# Altium PCB 1166V10.PcbDoc (part 1 of 6) (continued)
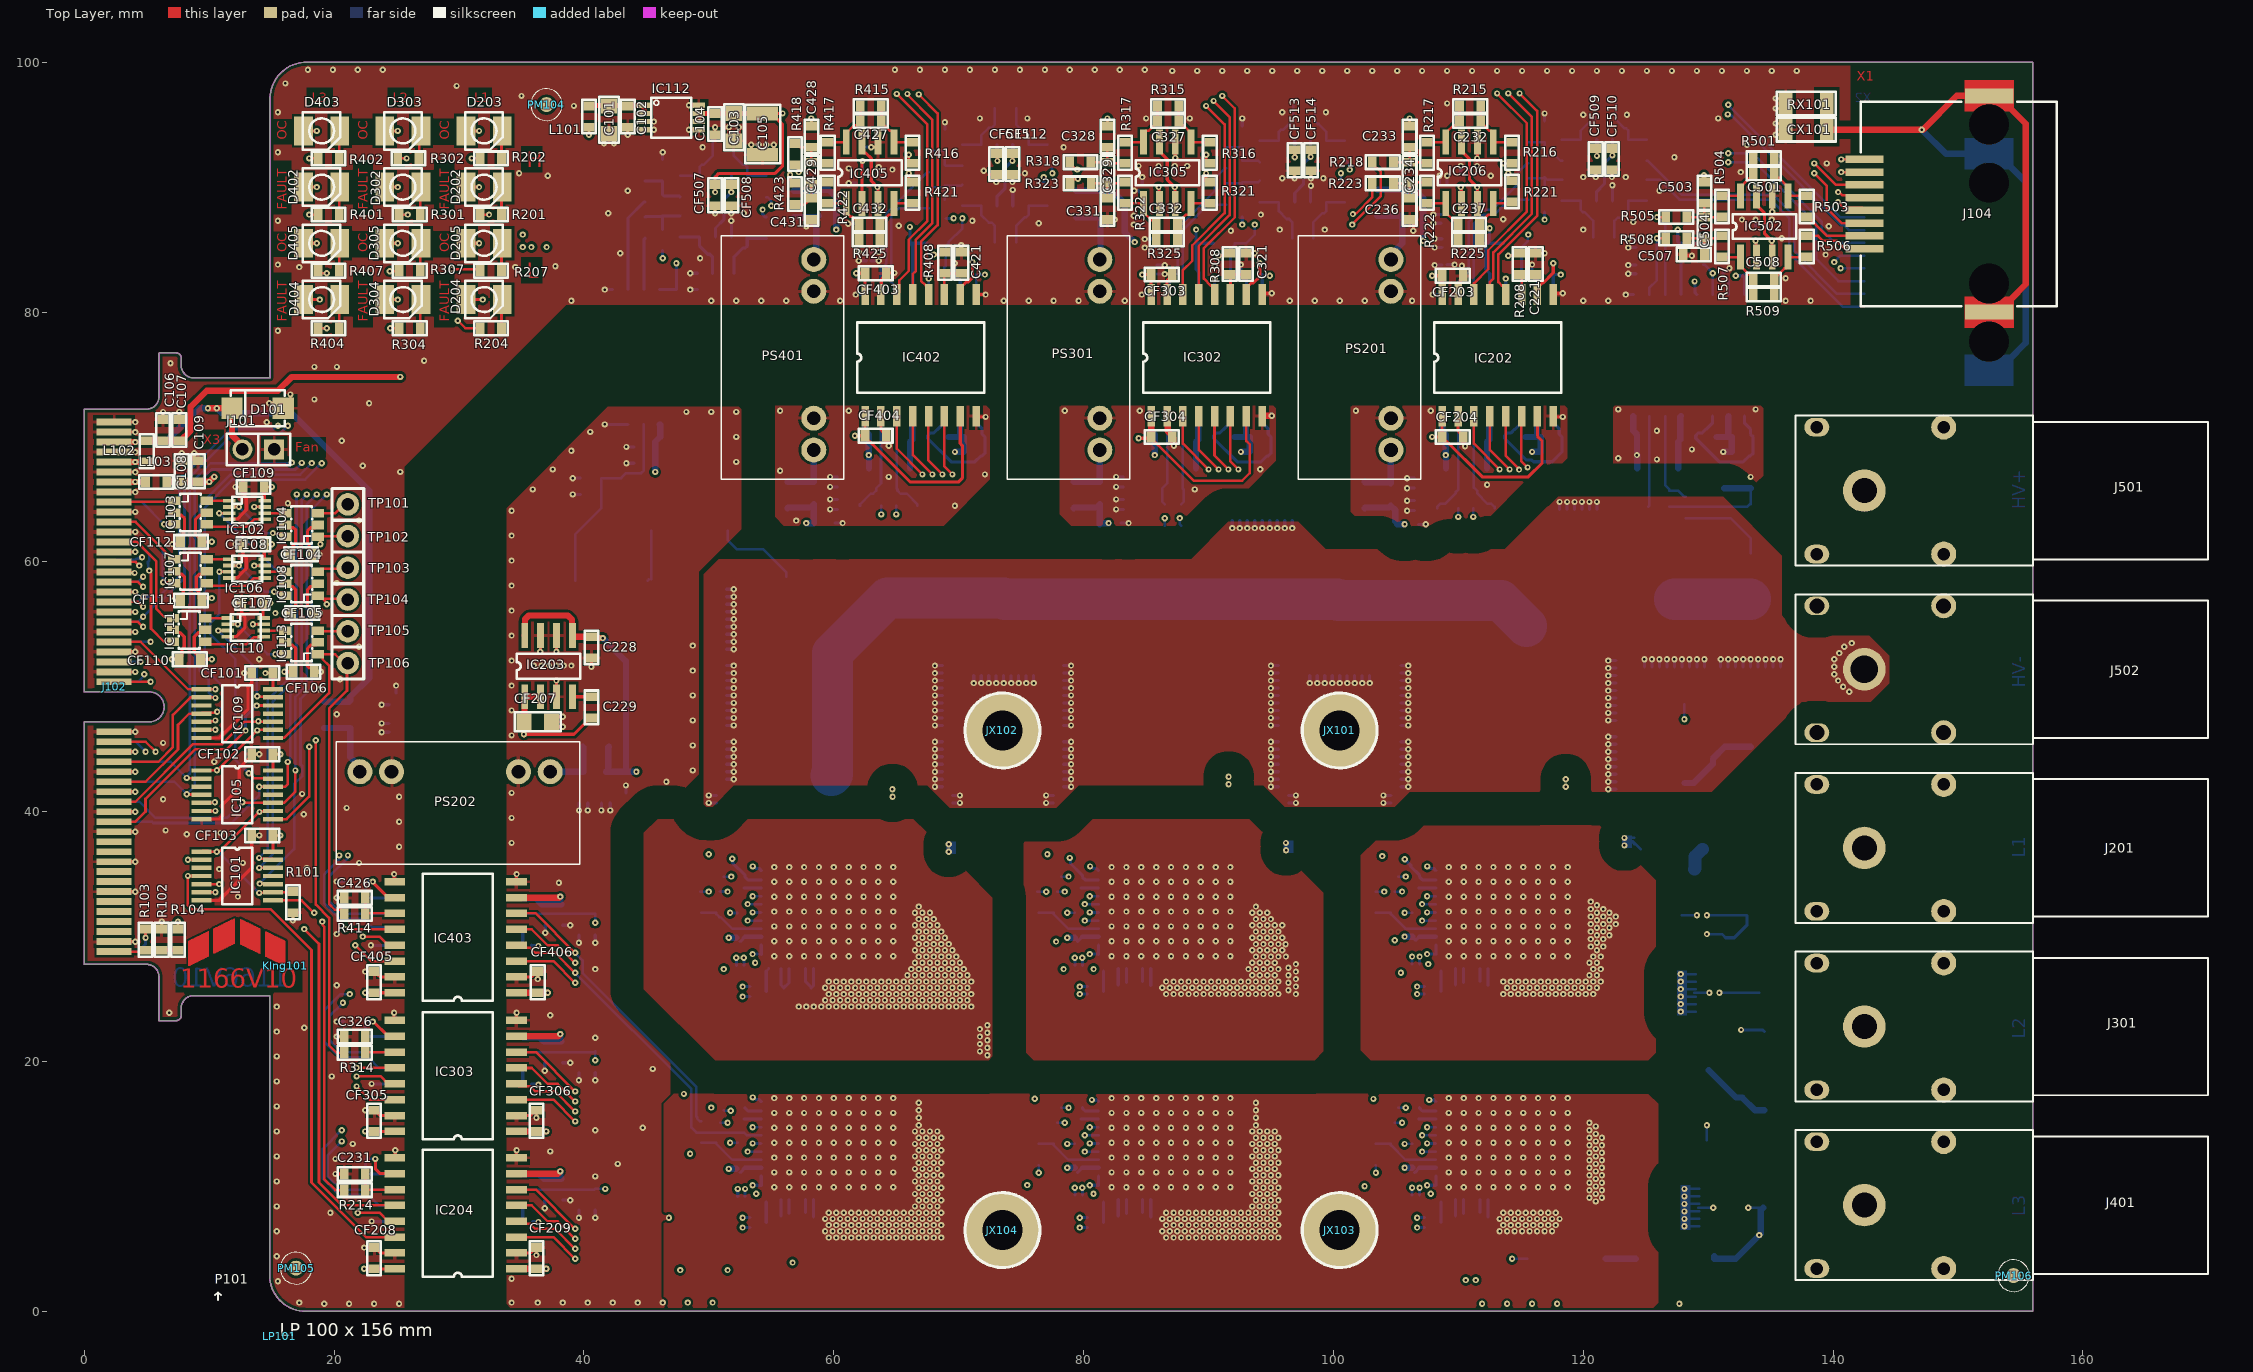
[diagram p0: Top Layer view]
## Components (designator, comment, footprint, x,y, rotation, side; value= is the part's Value field where it differs from the comment) (continued)
C418 "1nF" 1206-Cap 66,69.6 r180 bottom
C419 "100nF" 1206-Cap 66,67.5 r180 bottom
C420 "8n2F" 0603-Cap 63.4,65.8 r0 bottom
C421 "68pF" 0603-Cap 70.2,84.8 r270 top
C422 "10µF/25V" 0805-Cap 52.6,8.9 r90 bottom
C423 "220nF" 0603-Cap 51.2,16.3 r0 bottom
C424 "2µ2F/25V" 0805-Cap 56,7.5 r0 bottom
C425 "22pF" 0603-Cap 52.3,13.5 r180 bottom
C426 "68pF" 0603-Cap 20.8,33.1 r0 top
C427 "22pF" 0603-Cap 62.11,95.3 r0 top
C428 "2n2F" 0603-Cap 58.21,93.2 r90 top
C429 "2n2F" 0603-Cap 58.21,90.3 r90 top
C430 "100nF" 0603-Cap 39.6,8.1 r90 bottom
C431 "2n2F" 0603-Cap 58.21,87.4 r90 top
C432 "22pF" 0603-Cap 62.01,87 r0 top
C501 "22pF" 0603-Cap 133.6,91.1 r0 top
C502 "100nF" 0603-Cap 131.2,83 r0 bottom
C503 "2n2F" 0603-Cap 129.7,88.7 r90 top
C504 "2n2F" 0603-Cap 129.7,85.9 r90 top
C505 "1µF/25V" 1206-Cap 127.7,85.5 r180 bottom
C506 "1nF" 1206-Cap 127.7,83.4 r180 bottom
C507 "2n2F" 0603-Cap 128,84.6 r0 top
C508 "22pF" 0603-Cap 133.6,82.6 r0 top
C509 "22pF" 0603-Cap 50.3,84.3 r0 bottom
C510 "1µF/25V" 0603-Cap 129,70 r0 bottom
C511 "1nF" 0603-Cap 133.6,70 r180 bottom
C512 "100nF" 0603-Cap 133.6,68.8 r180 bottom
C513 "1nF" 1206-Cap 127.6,69.6 r180 bottom
C514 "100nF" 1206-Cap 127.6,67.5 r180 bottom
C515 "8n2F" 0603-Cap 125.2,65.7 r0 bottom
C516 "2n2F" 0603-Cap 46.3,86.6 r270 bottom
C517 "2n2F" 0603-Cap 46.3,89.4 r270 bottom
C518 "100nF" 0603-Cap 39.7,66.7 r0 bottom
C519 "2n2F" 0603-Cap 46.3,92.2 r270 bottom
C520 "22pF" 0603-Cap 50.3,92.6 r0 bottom
C521 "1µF/630V" 2220-Cap 56.7,55.4 r180 bottom
C522 "1µF/630V" 2220-Cap 119.3,58.1 r90 bottom
C523 "1µF/630V" 2220-Cap 94.3,58 r90 bottom
C524 "1µF/630V" 2220-Cap 127.3,56.9 r270 bottom
C525 "1µF/630V" 2220-Cap 73.6,57 r270 bottom
C526 "1µF/630V" 2220-Cap 100.5,57 r270 bottom
C527 "1µF/630V" 2220-Cap 133.4,56.9 r270 bottom
C528 "22pF" 0603-Cap 120.8,87.2 r0 bottom
C529 "2n2F" 0603-Cap 116.9,89.7 r270 bottom
C530 "2n2F" 0603-Cap 116.9,92.5 r270 bottom
C531 "22pF" 0603-Cap 72.9,86.8 r0 bottom
C532 "2n2F" 0603-Cap 116.9,95.3 r270 bottom
C533 "22pF" 0603-Cap 120.9,95.5 r0 bottom
C534 "2n2F" 0603-Cap 68.9,89 r270 bottom
C535 "2n2F" 0603-Cap 68.9,91.8 r270 bottom
C536 "2n2F" 0603-Cap 68.9,94.6 r270 bottom
C537 "22pF" 0603-Cap 72.9,95.1 r0 bottom
C538 "22pF" 0603-Cap 96.7,87.1 r0 bottom
C539 "2n2F" 0603-Cap 92.7,89.3 r270 bottom
C540 "2n2F" 0603-Cap 92.7,92.1 r270 bottom
C541 "2n2F" 0603-Cap 92.7,94.9 r270 bottom
C542 "22pF" 0603-Cap 96.8,95.4 r0 bottom
CF101 "100nF" 0603-Cap 13.4,51.1 r0 top
CF102 "100nF" 0603-Cap 13.4,44.6 r0 top
CF103 "100nF" 0603-Cap 13.4,38.1 r0 top
CF104 "100nF" 0603-Cap 16.5,60.6 r0 top
CF105 "100nF" 0603-Cap 16.6,55.9 r0 top
CF106 "100nF" 0603-Cap 16.7,51.2 r0 top
CF107 "100nF" 0603-Cap 14.3,56.7 r180 top
CF108 "100nF" 0603-Cap 14.4,61.4 r180 top
CF109 "100nF" 0603-Cap 14.4,66 r180 top
CF110 "100nF" 0603-Cap 9.3,52.2 r180 top
CF111 "100nF" 0603-Cap 9.4,56.9 r180 top
CF112 "100nF" 0603-Cap 9.4,61.6 r180 top
CF201 "22µF/16V" 0805-Cap 104.6,66.3 r0 bottom
CF202 "22µF/16V" 0805-Cap 104.6,64.5 r0 bottom
CF203 "1µF/10V" 0603-Cap 108.7,82.9 r0 top
CF204 "100nF" 0603-Cap 110.4,70 r180 top
CF205 "22µF/16V" 0805-Cap 39.96,43.2 r270 bottom
CF206 "22µF/16V" 0805-Cap 41.76,43.2 r270 bottom
CF207 "22µF/16V" 0805-Cap 35.2,47.2 r0 top
CF208 "1µF/10V" 0603-Cap 23.2,3.4 r90 top
CF209 "100nF" 0603-Cap 36.2,5.1 r270 top
CF210 "100nF" 0603-Cap 110.2,89.4 r90 bottom
CF211 "100nF" 0603-Cap 111.5,89.4 r90 bottom
CF212 "1µF/10V" 0603-Cap 22.5,34.4 r180 bottom
CF213 "100nF" 0603-Cap 22.5,33.1 r180 bottom
CF214 "100nF" 0603-Cap 36.9,32.6 r270 bottom
CF215 "1µF/10V" 0603-Cap 38.2,32.6 r270 bottom
CF301 "22µF/16V" 0805-Cap 81.3,66.4 r0 bottom
CF302 "22µF/16V" 0805-Cap 81.3,64.6 r0 bottom
CF303 "1µF/10V" 0603-Cap 85.4,83 r0 top
CF304 "100nF" 0603-Cap 87.1,70 r180 top
CF305 "1µF/25V" 0603-Cap 23.2,14.4 r90 top
CF306 "100nF" 0603-Cap 36.2,16.1 r270 top
CF307 "100nF" 0603-Cap 86,89.4 r90 bottom
CF308 "100nF" 0603-Cap 87.3,89.4 r90 bottom
CF309 "1µF/10V" 0603-Cap 22.5,23.2 r180 bottom
CF310 "100nF" 0603-Cap 22.5,21.9 r180 bottom
CF311 "100nF" 0603-Cap 36.9,21.6 r270 bottom
CF312 "1µF/10V" 0603-Cap 38.2,21.6 r270 bottom
CF401 "22µF/16V" 0805-Cap 58.4,66.4 r0 bottom
CF402 "22µF/16V" 0805-Cap 58.4,64.6 r0 bottom
CF403 "1µF/10V" 0603-Cap 62.5,83.1 r0 top
CF404 "100nF" 0603-Cap 64.2,70.1 r180 top
CF405 "1µF/10V" 0603-Cap 23.2,25.5 r90 top
CF406 "100nF" 0603-Cap 36.3,27.2 r270 top
CF407 "100nF" 0603-Cap 62.3,91.5 r90 bottom
CF408 "100nF" 0603-Cap 63.6,89.3 r90 bottom
CF409 "1µF/10V" 0603-Cap 22.5,12.2 r180 bottom
CF410 "100nF" 0603-Cap 22.5,11 r180 bottom
CF411 "100nF" 0603-Cap 36.9,10.6 r270 bottom
CF412 "1µF/10V" 0603-Cap 38.2,10.6 r270 bottom
CF501 "100nF" 0603-Cap 133.8,85.1 r90 bottom
CF502 "100nF" 0603-Cap 135.1,85.1 r90 bottom
CF503 "1µF/10V" 0603-Cap 47.4,83.1 r0 bottom
CF504 "100nF" 0603-Cap 47.4,81.8 r0 bottom
CF505 "100nF" 0603-Cap 45.7,69.2 r180 bottom
CF506 "1µF/10V" 0603-Cap 45.7,67.9 r180 bottom
CF507 "100nF" 0603-Cap 50.5,90.2 r270 top
CF508 "100nF" 0603-Cap 51.8,90.2 r270 top
CF509 "100nF" 0603-Cap 121,93.1 r270 top
CF510 "100nF" 0603-Cap 122.3,93.1 r270 top
CF511 "100nF" 0603-Cap 73,92.7 r270 top
CF512 "100nF" 0603-Cap 74.3,92.7 r270 top
CF513 "100nF" 0603-Cap 96.9,93 r270 top
CF514 "100nF" 0603-Cap 98.2,93 r270 top
CX101 "4n7F/500V" 1206-Cap 139.5,94.6 r180 top
D101 "B160" SMA 15.8,72.3 r180 top
D201 "GB01SLT12-214" "DO-214 (SMB)" 129.54,37 r180 bottom
D202 "VLMS30K1L2-GS08" PLCC-2_rot 32,90 r180 top
D203 "VLMY3001" PLCC-2_gelb 32,94.5 r180 top
D204 "VLMS30K1L2-GS08" PLCC-2_rot 32,81 r180 top
D205 "VLMY3001" PLCC-2_gelb 32,85.5 r180 top
D206 "GB01SLT12-214" "DO-214 (SMB)" 122.7,16 r90 bottom
D301 "GB01SLT12-214" "DO-214 (SMB)" 97.6,31.66 r90 bottom
D302 "VLMS30K1L2-GS08" PLCC-2_rot 25.5,90 r180 top
D303 "VLMY3001" PLCC-2_gelb 25.5,94.5 r180 top
D304 "VLMS30K1L2-GS08" PLCC-2_rot 25.5,81 r180 top
D305 "VLMY3001" PLCC-2_gelb 25.5,85.5 r180 top
D306 "GB01SLT12-214" "DO-214 (SMB)" 95.7,16 r90 bottom
D401 "GB01SLT12-214" "DO-214 (SMB)" 70.6,31.56 r90 bottom
D402 "VLMS30K1L2-GS08" PLCC-2_rot 19,90 r180 top
D403 "VLMY3001" PLCC-2_gelb 19,94.5 r180 top
D404 "VLMS30K1L2-GS08" PLCC-2_rot 19,81 r180 top
D405 "VLMY3001" PLCC-2_gelb 19,85.5 r180 top
D406 "GB01SLT12-214" "DO-214 (SMB)" 68.7,16 r90 bottom
IC101 "SN74HCS21PWR" TSSOP-14 9.4,36.8 r0 top
IC102 "SN74AUP2G08DCUR" VSSOP-8 11.6,64.9 r270 top
IC103 "SN74LVC2G17DBV" SOT-23-6 7.2,64.9 r270 top
IC104 "SN74LVC2G14DBV" SOT-23-6 18.691,61.995 r90 top
IC105 "SN74HCS21PWR" TSSOP-14 9.4,43.3 r0 top
IC106 "SN74AUP2G08DCUR" VSSOP-8 11.6,60.2 r270 top
IC107 "SN74LVC2G17DBV" SOT-23-6 7.2,60.2 r270 top
IC108 "SN74LVC2G14DBV" SOT-23-6 18.691,57.295 r90 top
IC109 "SN74HCS21PWR" TSSOP-14 9.4,49.8 r0 top
IC110 "SN74AUP2G08DCUR" VSSOP-8 11.5,55.5 r270 top
IC111 "SN74LVC2G17DBV" SOT-23-6 7.1,55.5 r270 top
IC112 "LTC6655BHMS8-2.5" "MSOP-8 (RM-8)" 44.8,96.55 r270 top
IC113 "SN74LVC2G14DBV" SOT-23-6 18.691,52.595 r90 top
IC201 "AMC3301DWE" "SOIC-16-W - 8.1mm" 117.6,71.65 r90 bottom
IC202 "ISO7741FEDWQ1" "SOIC-16-W - 8.1mm" 108.71,71.65 r90 top
IC203 "LT1763IS8-5#PBF" SOIC-8-N 35.26,49.2 r90 top
IC204 "ISO7741FEDWQ1" "SOIC-16-W - 8.1mm" 34.6,3.4 r180 top
IC205 "AMC1311BQDWVRQ1" SOIC-8-W 34.4,33.1 r180 bottom
IC206 "ADA4940-1ARZ" SOIC-8-N 108.99,88.7 r90 top
IC301 "AMC3301DWE" "SOIC-16-W - 8.1mm" 94.3,71.65 r90 bottom
IC302 "ISO7741FEDWQ1" "SOIC-16-W - 8.1mm" 85.41,71.65 r90 top
IC303 "ISO7741FEDWQ1" "SOIC-16-W - 8.1mm" 34.6,14.4 r180 top
IC304 "AMC1311BQDWVRQ1" SOIC-8-W 34.4,22 r180 bottom
IC305 "ADA4940-1ARZ" SOIC-8-N 84.8,88.7 r90 top
IC401 "AMC3301DWE" "SOIC-16-W - 8.1mm" 71.4,71.65 r90 bottom
IC402 "ISO7741FEDWQ1" "SOIC-16-W - 8.1mm" 62.51,71.65 r90 top
IC403 "ISO7741FEDWQ1" "SOIC-16-W - 8.1mm" 34.6,25.5 r180 top
IC404 "AMC1311BQDWVRQ1" SOIC-8-W 34.4,11 r180 bottom
IC405 "ADA4940-1ARZ" SOIC-8-N 61,88.7 r90 top
IC501 "AMC3301DWE" "SOIC-16-W - 8.1mm" 132.9,71.65 r90 bottom
IC502 "ADA4940-1ARZ" SOIC-8-N 132.59,84.4 r90 top
IC503 "AMC1311BQDWVRQ1" SOIC-8-W 46.07,71.7 r90 bottom
IC504 "ADA4940-1ARZ" SOIC-8-N 49.26,90.9 r270 bottom
IC505 "ADA4940-1ARZ" SOIC-8-N 119.8,93.8 r270 bottom
IC506 "ADA4940-1ARZ" SOIC-8-N 71.79,93.4 r270 bottom
IC507 "ADA4940-1ARZ" SOIC-8-N 95.63,93.7 r270 bottom
J101 "SIP-2" SIP-2 15.2,69 r180 top
J102 "KI-POWER-Card" KI-POWER-CARD -0.013,47.196 r90 top
J103 "RJ-45" WE-634008149821 150,84 r270 bottom
J104 "RJ-45" WE-634008149821 150.025,88.65 r90 top
J201 "MC - SLB4-I/90 Schwarz" "SLB4-I/90 - 4mm" 142.5,37.1 r270 top locked
J301 "MC - SLB4-I/90 Schwarz" "SLB4-I/90 - 4mm" 142.5,22.8 r270 top locked
J401 "MC - SLB4-I/90 Schwarz" "SLB4-I/90 - 4mm" 142.5,8.5 r270 top locked
J501 "MC - SLB4-I/90 Rot" "SLB4-I/90 - 4mm" 142.5,65.7 r270 top locked
J502 "FCR7350L Blau" "SLB4-I/90 - 4mm - CLIFF" 142.5,51.4 r270 top locked
JX101 "Drill PAD" PAD-6.0/3.2 100.5,46.5 r0 top
JX102 "Drill PAD" PAD-6.0/3.2 73.5,46.5 r0 top
JX103 "Drill PAD" PAD-6.0/3.2 100.5,6.5 r0 top
JX104 "Drill PAD" PAD-6.0/3.2 73.5,6.5 r0 top
KIng101 "KIng-Logo" "King_Logo 900x300mil short" 16.088,27.659 r90 top
L101 "600R@100MHz 1A" 0603-Ind 40.4,94.8 r90 top
L102 "600R@100MHz 1A" 0603-Ind 5,68 r90 top
L103 "600R@100MHz 1A" 0603-Ind 4.9,66.4 r0 top
L201 "100µH/120mA" "1007-IND (2518)" 103.5,89.8 r270 bottom
L202 "100µH/120mA" "1007-IND (2518)" 102.5,66.4 r270 bottom
L203 "4u7H 1,1A" "2.0mm x 1.6mm" 107.25,25.6 r0 bottom
L204 "100µH/120mA" "1007-IND (2518)" 19.2,48.8 r270 bottom
L205 "100µH/120mA" "1007-IND (2518)" 39.9,45.2 r0 bottom
L206 "4u7H 1,1A" "2.0mm x 1.6mm" 107.25,7.1 r0 bottom
L301 "100µH/120mA" "1007-IND (2518)" 79.4,89.7 r270 bottom
L302 "100µH/120mA" "1007-IND (2518)" 79.2,66.4 r270 bottom
L303 "4u7H 1,1A" "2.0mm x 1.6mm" 80.25,25.6 r0 bottom
L304 "4u7H 1,1A" "2.0mm x 1.6mm" 80.25,7.1 r0 bottom
L401 "100µH/120mA" "1007-IND (2518)" 56.8,89.7 r270 bottom
L402 "100µH/120mA" "1007-IND (2518)" 56.3,66.4 r270 bottom
L403 "4u7H 1,1A" "2.0mm x 1.6mm" 53.25,25.6 r0 bottom
L404 "4u7H 1,1A" "2.0mm x 1.6mm" 53.25,7.1 r0 bottom
LP101 "100 x 156 mm, 8 Lagen (8x 70 µm)" LP 15.631,-2 r0 top
P101 "SK 545 50 SA" Part 10.7,0.9 r90 top
PM101 "Passer Mark" "PASSER-MARK Rund 1,2mm" 154.448,2.853 r180 bottom
PM102 "Passer Mark" "PASSER-MARK Rund 1,2mm" 16.948,3.453 r180 bottom
PM103 "Passer Mark" "PASSER-MARK Rund 1,2mm" 37,96.6 r180 bottom
PM104 "Passer Mark" "PASSER-MARK Rund 1,2mm" 37,96.6 r0 top
PM105 "Passer Mark" "PASSER-MARK Rund 1,2mm" 16.948,3.453 r0 top
PM106 "Passer Mark" "PASSER-MARK Rund 1,2mm" 154.448,2.853 r0 top
PS201 "R24P12S/P/X2/R6.4" "SIP-7 Single - X2" 104.6,84.2 r270 top
PS202 "R24P212S/P/X2/R6.4" "SIP-7 Single - X2" 22.06,43.2 r0 top
PS301 "R24P12S/P/X2/R6.4" "SIP-7 Single - X2" 81.3,84.2 r270 top
PS401 "R24P12S/P/X2/R6.4" "SIP-7 Single - X2" 58.4,84.2 r270 top
Q201 "LMG3425R030RQZT" "VQFN-54 (RQZ0054)" 114,33.25 r270 bottom
Q202 "LMG3425R030RQZT" "VQFN-54 (RQZ0054)" 114,14.75 r270 bottom
Q301 "LMG3425R030RQZT" "VQFN-54 (RQZ0054)" 87,33.25 r270 bottom
Q302 "LMG3425R030RQZT" "VQFN-54 (RQZ0054)" 87,14.75 r270 bottom
Q401 "LMG3425R030RQZT" "VQFN-54 (RQZ0054)" 60,33.25 r270 bottom
Q402 "LMG3425R030RQZT" "VQFN-54 (RQZ0054)" 60,14.75 r270 bottom
R101 "10K" 0603-Res 16.7,33.6 r270 top
R102 "0R" 0603-Res 6.2,30.6 r270 top
R103 "0R" 0603-Res 4.9,28.9 r90 top
R104 "0R" 0603-Res 7.5,30.6 r270 top
R201 "470R" 0603-Res 33.4,87.8 r180 top
R202 "470R" 0603-Res 33.4,92.3 r180 top
R203 "10K" 0603-Res 115.3,85.5 r180 bottom
R204 "470R" 0603-Res 33.4,78.7 r180 top
R205 "20K" 0603-Res 106.6,33.6 r180 bottom
R206 "220R" 0603-Res 103.4,31.9 r90 bottom
R207 "470R" 0603-Res 33.4,83.3 r180 top
R208 "49R9" 0603-Res 114.9,83 r90 top
R209 "10R" 0603-Res 111.2,64.3 r0 bottom
R210 "10R" 0603-Res 110,64.3 r180 bottom
R211 "0.018R" 2512 127.9,31.7 r0 bottom
R212 "20K" 0603-Res 106.6,15.1 r180 bottom
R213 "220R" 0603-Res 103.4,13.4 r270 bottom
R214 "49R9" 0603-Res 22.5,9.7 r180 top
R215 "2K" 0603-Res 110.1,96.5 r0 top
R216 "49R9" 0603-Res 114.3,93.6 r270 top
R217 "1K" 0603-Res 107.5,91.9 r90 top
R218 "49R9" 0603-Res 103.1,92 r0 top
R219 "1M" 2512-Res 128.1,48.6 r270 bottom
R220 "1M" 2512-Res 133.4,45.2 r270 bottom
R221 "49R9" 0603-Res 114.3,88.8 r90 top
R222 "1K" 0603-Res 107.5,90.4 r270 top
R223 "49R9" 0603-Res 103.1,90.3 r0 top
R224 "6K65/0,1%/10ppm" 0603-Res 40.9,31.8 r270 bottom
R225 "2K" 0603-Res 110,85.8 r0 top
R301 "470R" 0603-Res 26.9,87.8 r180 top
R302 "470R" 0603-Res 26.8,92.3 r180 top
R303 "10K" 0603-Res 92.1,85.5 r180 bottom
R304 "470R" 0603-Res 26.9,78.7 r180 top
R305 "15K" 0603-Res 79.6,33.6 r180 bottom
R306 "220R" 0603-Res 76.4,31.9 r90 bottom
R307 "470R" 0603-Res 26.9,83.3 r180 top
R308 "49R9" 0603-Res 91.7,83 r90 top
R309 "10R" 0603-Res 87.8,62.9 r90 bottom
R310 "10R" 0603-Res 86.5,62.9 r90 bottom
R311 "0.018R" 2512 128.9,25.5 r0 bottom
R312 "20K" 0603-Res 79.6,15.1 r180 bottom
R313 "220R" 0603-Res 76.4,13.4 r270 bottom
R314 "49R9" 0603-Res 22.5,20.7 r180 top
R315 "2K" 0603-Res 85.91,96.5 r0 top
R316 "49R9" 0603-Res 90.11,93.6 r270 top
R317 "1K" 0603-Res 83.31,91.9 r90 top
R318 "49R9" 0603-Res 78.9,92 r0 top
R319 "1M" 2512-Res 128.6,13.7 r90 bottom
R320 "1M" 2512-Res 134.5,16.1 r90 bottom
R321 "49R9" 0603-Res 90.11,88.7 r90 top
R322 "1K" 0603-Res 83.31,90.4 r270 top
R323 "49R9" 0603-Res 78.91,90.3 r0 top
R324 "6K65/0,1%/10ppm" 0603-Res 40.9,20.8 r270 bottom
R325 "2K" 0603-Res 85.81,85.8 r0 top
R401 "470R" 0603-Res 20.4,87.8 r180 top
R402 "470R" 0603-Res 20.4,92.3 r180 top
R403 "10K" 0603-Res 69.2,85.5 r180 bottom
R404 "470R" 0603-Res 20.4,78.7 r180 top
R405 "15K" 0603-Res 52.6,33.6 r180 bottom
R406 "220R" 0603-Res 49.4,31.9 r90 bottom
R407 "470R" 0603-Res 20.4,83.3 r180 top
R408 "49R9" 0603-Res 68.9,83.1 r90 top
R409 "10R" 0603-Res 65,64.5 r0 bottom
R410 "10R" 0603-Res 63.8,64.5 r180 bottom
R411 "0.018R" 2512 129.2,8.3 r0 bottom
R412 "20K" 0603-Res 52.6,15.1 r180 bottom
R413 "220R" 0603-Res 49.4,13.5 r90 bottom
R414 "49R9" 0603-Res 22.5,31.8 r180 top
R415 "2K" 0603-Res 62.11,96.5 r0 top
R416 "49R9" 0603-Res 66.31,93.6 r270 top
R417 "1K" 0603-Res 59.51,91.9 r90 top
R418 "49R9" 0603-Res 56.9,91.8 r90 top
R419 "1M" 2512-Res 115.5,4.2 r0 bottom
R420 "1M" 2512-Res 124.2,4.2 r0 bottom
R421 "49R9" 0603-Res 66.31,88.7 r90 top
R422 "1K" 0603-Res 59.51,90.4 r270 top
R423 "49R9" 0603-Res 56.9,90.3 r270 top
R424 "6K65/0,1%/10ppm" 0603-Res 40.9,9.8 r270 bottom
R425 "2K" 0603-Res 62.01,85.8 r0 top
R501 "2K" 0603-Res 133.6,92.3 r0 top
R502 "10K" 0603-Res 129.6,83.8 r90 bottom
R503 "49R9" 0603-Res 137.9,89.3 r270 top
R504 "1K" 0603-Res 131.1,87.6 r90 top
R505 "49R9" 0603-Res 126.6,87.6 r0 top
R506 "49R9" 0603-Res 137.9,84.4 r90 top
R507 "1K" 0603-Res 131.1,86.1 r270 top
R508 "49R9" 0603-Res 126.6,85.9 r0 top
R509 "2K" 0603-Res 133.6,81.4 r0 top
R510 "2K" 0603-Res 50.3,83.1 r0 bottom
R511 "1M" 2512-Res 45.4,62.5 r0 bottom
R512 "1M" 2512-Res 39.3,58.6 r0 bottom
R513 "49R9" 0603-Res 54.6,85.9 r90 bottom
R514 "1K" 0603-Res 47.7,87.7 r270 bottom
R515 "49R9" 0603-Res 44.9,85.9 r90 bottom
R516 "10R" 0603-Res 128.2,63.5 r90 bottom
R517 "10R" 0603-Res 126.9,64.4 r180 bottom
R518 "0.010R" 2512 133.4,60.7 r90 bottom
R519 "49R9" 0603-Res 54.6,90.9 r270 bottom
R520 "1K" 0603-Res 47.7,89.2 r90 bottom
R521 "49R9" 0603-Res 44.9,88.8 r90 bottom
R522 "6K65/0,1%/10ppm" 0603-Res 41.4,65.4 r180 bottom
R523 "2K" 0603-Res 50.3,93.8 r0 bottom
R524 "2K" 0603-Res 120.8,86 r0 bottom
R525 "49R9" 0603-Res 125.07,88.9 r90 bottom
R526 "1K" 0603-Res 118.3,90.6 r270 bottom
R527 "49R9" 0603-Res 115.6,89 r90 bottom
R528 "2K" 0603-Res 72.9,85.6 r0 bottom
R529 "49R9" 0603-Res 125.07,93.8 r270 bottom
R530 "1K" 0603-Res 118.3,92.1 r90 bottom
R531 "49R9" 0603-Res 115.6,91.9 r90 bottom
R532 "49R9" 0603-Res 77.1,88.5 r90 bottom
R533 "1K" 0603-Res 70.3,90.2 r270 bottom
R534 "49R9" 0603-Res 67.6,88.3 r90 bottom
R535 "2K" 0603-Res 120.9,96.7 r0 bottom
R536 "49R9" 0603-Res 77.1,93.4 r270 bottom
R537 "1K" 0603-Res 70.3,91.7 r90 bottom
R538 "49R9" 0603-Res 67.6,91.2 r90 bottom
R539 "2K" 0603-Res 96.7,85.9 r0 bottom
R540 "2K" 0603-Res 72.9,96.3 r0 bottom
R541 "49R9" 0603-Res 100.9,88.8 r90 bottom
R542 "1K" 0603-Res 94.1,90.5 r270 bottom
R543 "49R9" 0603-Res 91.4,88.6 r90 bottom
R544 "49R9" 0603-Res 100.9,93.7 r270 bottom
R545 "1K" 0603-Res 94.1,92 r90 bottom
R546 "49R9" 0603-Res 91.4,91.5 r90 bottom
R547 "2K" 0603-Res 96.8,96.6 r0 bottom
RX101 "1M" 1206-Res 139.5,96.7 r180 top
TP101 "Test-Point" PAD-1.0/1.8 21.1,64.6 r90 top
TP102 "Test-Point" PAD-1.0/1.8 21.1,62.06 r90 top
TP103 "Test-Point" PAD-1.0/1.8 21.1,59.52 r90 top
TP104 "Test-Point" PAD-1.0/1.8 21.1,56.98 r90 top
TP105 "Test-Point" PAD-1.0/1.8 21.1,54.44 r90 top
TP106 "Test-Point" PAD-1.0/1.8 21.1,51.9 r90 top

## Footprints (in the part's own frame and the unit in brackets; to place one, negate y for a bottom-side part, rotate by r counter-clockwise, add the part's x,y. Pads: shape width x height; smd on the part's side, far side on the other; paste and mask are expansions set on the pad)
"2.0mm x 1.6mm" [mm]
  rect 0.65x1.6 smd: 1(0,0) 2(1.35,0)
  silkscreen extent -0.33,-0.8 1.68,0.8, body extent -0.33,-0.8 1.68,0.8, height 1
0603-Cap [mm] "SMD 0603 size (Imperial)"
  rect 0.7x0.9 smd: 1(0,0) 2(1.7,0)
  silkscreen extent -0.5,-0.55 2.2,0.55, body extent 0.05,-0.41 1.65,0.41, height 0.9
0603-Ind [mm] "SMD 0603 size (Imperial)"
  rect 0.7x0.9 smd: 1(0,0) 2(1.7,0)
  silkscreen extent -0.5,-0.55 2.2,0.55, body extent 0.06,-0.4 1.66,0.4, height 0.8
0603-Res [mm] "SMD 0603 size (Imperial)"
  rect 0.7x0.9 smd: 1(0,0) 2(1.7,0)
  silkscreen extent -0.5,-0.55 2.2,0.55, body extent -0.07,-0.42 1.78,0.43, height 0.45
0805-Cap [mm] "SMD 0805 size (Imperial)"
  rect 1.2x1.3 smd: 1(0,0) 2(2.2,0)
  silkscreen extent -0.75,-0.78 2.95,0.78, body extent 0.05,-0.63 2.15,0.62, height 1.3
"1007-IND (2518)" [mm]
  rect 0.6x2 smd: 1(0,0) 2(2.1,0)
  silkscreen extent 0.05,-0.9 2.05,0.9, body extent 0.05,-0.9 2.05,0.9, height 1.8
1206-Cap [mm] "SMD 1206 size (Imperial)"
  rect 1.1x1.7 smd: 1(0,0) 2(3.3,0)
  silkscreen extent -0.7,-0.95 4,0.95, body extent 0.05,-0.8 3.25,0.8, height 1.7
1206-Res [mm] "SMD 1206 size (Imperial)"
  rect 1.1x1.7 smd: 1(0,0) 2(3.3,0)
  silkscreen extent -0.7,-0.95 4,0.95, body extent 0.05,-0.8 3.25,0.8, height 0.55
1210-Cap [mm] "SMD 1210 size (Imperial)"
  rect 1.1x2.5 smd: 1(0,0) 2(3.3,0)
  silkscreen extent -0.7,-1.4 4,1.4, body extent 0.05,-1.25 3.25,1.25, height 1.7
2220-Cap [mm] "SMD 2220 size (Imperial)"
  rect 1.5x5.5 smd: 1(0,0) 2(5.7,0)
  silkscreen extent -0.9,-2.9 6.6,2.9, body extent 0,-2.5 5.7,2.5, height 2.5
2512 [mm]
  rect 1.8x3.4 smd: 1(0,0) 2(5.2,0)
  silkscreen extent -0.58,-1.55 5.77,1.5, body extent -0.58,-1.55 5.77,1.5, height 0.83
2512-Res [mm] "SMD 2512 size (Imperial)"
  rect 1.7x3.2 smd: 1(0,0) 2(6.3,0)
  silkscreen extent -1,-1.75 7.3,1.75, body extent 0,-1.58 6.3,1.58, height 0.6
"DO-214 (SMB)" [mm] "SMD SMB size"
  rect 2.2x2.3 smd: 1(0,0) 2(4.94,0)
  silkscreen extent 0.02,-1.95 4.84,1.95, body extent -0.33,-1.97 5.25,1.98, height 2.62
KI-POWER-CARD [mm]
  rect 0.55x2.8 smd mask+0.05: 1(24,-2.4) 3(23.2,-2.4) 5(22.4,-2.4) 7(21.6,-2.4) 9(20.8,-2.4) 11(20,-2.4) 13(19.2,-2.4) 15(18.4,-2.4) 17(17.6,-2.4) 19(16.8,-2.4) 21(16,-2.4) 23(15.2,-2.4) 25(14.4,-2.4) 27(13.6,-2.4) 29(12.8,-2.4) 31(12,-2.4) 33(11.2,-2.4) 35(10.4,-2.4) 37(9.6,-2.4) 39(8.8,-2.4) 41(8,-2.4) 43(7.2,-2.4) 45(6.4,-2.4) 47(5.6,-2.4) 49(4.8,-2.4) 51(4,-2.4) 53(3.2,-2.4) 55(-0.8,-2.4) 57(-1.6,-2.4) 59(-2.4,-2.4) 61(-3.2,-2.4) 63(-4,-2.4) 65(-4.8,-2.4) 67(-5.6,-2.4) 69(-6.4,-2.4) 71(-7.2,-2.4) 73(-8,-2.4) 75(-8.8,-2.4) 77(-9.6,-2.4) 79(-10.4,-2.4) 81(-11.2,-2.4) 83(-12,-2.4) 85(-12.8,-2.4) 87(-13.6,-2.4) 89(-14.4,-2.4) 91(-15.2,-2.4) 93(-16,-2.4) 95(-16.8,-2.4) 97(-17.6,-2.4) 99(-18.4,-2.4)
  rect 0.55x2.8 smd far side mask+0.05: 2(24,-2.4) 4(23.2,-2.4) 6(22.4,-2.4) 8(21.6,-2.4) 10(20.8,-2.4) 12(20,-2.4) 14(19.2,-2.4) 16(18.4,-2.4) 18(17.6,-2.4) 20(16.8,-2.4) 22(16,-2.4) 24(15.2,-2.4) 26(14.4,-2.4) 28(13.6,-2.4) 30(12.8,-2.4) 32(12,-2.4) 34(11.2,-2.4) 36(10.4,-2.4) 38(9.6,-2.4) 40(8.8,-2.4) 42(8,-2.4) 44(7.2,-2.4) 46(6.4,-2.4) 48(5.6,-2.4) 50(4.8,-2.4) 52(4,-2.4) 54(3.2,-2.4) 56(-0.8,-2.4) 58(-1.6,-2.4) 60(-2.4,-2.4) 62(-3.2,-2.4) 64(-4,-2.4) 66(-4.8,-2.4) 68(-5.6,-2.4) 70(-6.4,-2.4) 72(-7.2,-2.4) 74(-8,-2.4) 76(-8.8,-2.4) 78(-9.6,-2.4) 80(-10.4,-2.4) 82(-11.2,-2.4) 84(-12,-2.4) 86(-12.8,-2.4) 88(-13.6,-2.4) 90(-14.4,-2.4) 92(-15.2,-2.4) 94(-16,-2.4) 96(-16.8,-2.4) 98(-17.6,-2.4) 100(-18.4,-2.4)
"King_Logo 900x300mil short" [mm]
  Top Layer lines w0.025: 0,7.722 1.981,7.722 ; 0,7.696 1.981,7.696 ; 0,7.671 2.007,7.671 ; 0.025,7.645 2.007,7.645 ; 0.025,7.62 2.032,7.62 ; 0.051,7.595 2.032,7.595 ; 0.051,7.569 2.057,7.569 ; 0.076,7.544 2.057,7.544 ; 0.076,7.518 2.083,7.518 ; 0.102,7.493 2.083,7.493 ; 0.102,7.468 2.108,7.468 ; 0.127,7.442 2.108,7.442 ; 0.127,7.417 2.134,7.417 ; 0.152,7.391 2.134,7.391 ; 0.152,7.366 2.159,7.366 ; 0.178,7.341 2.159,7.341 ; 0.178,7.315 2.184,7.315 ; 0.203,7.29 2.184,7.29 ; 0.203,7.264 2.21,7.264 ; 0.229,7.239 2.21,7.239 ; 0.229,7.214 2.235,7.214 ; 0.254,7.188 2.235,7.188 ; 0.254,7.163 2.261,7.163 ; 0.279,7.137 2.261,7.137 ; 0.279,7.112 2.286,7.112 ; 0.305,7.087 2.286,7.087 ; 0.305,7.061 2.311,7.061 ; 0.33,7.036 2.311,7.036 ; 0.33,7.01 2.337,7.01 ; 0.356,6.985 2.337,6.985 ; 0.356,6.96 2.362,6.96 ; 0.381,6.934 2.362,6.934 ; 0.381,6.909 2.388,6.909 ; 0.406,6.883 2.388,6.883 ; 0.406,6.858 2.388,6.858 ; 0.432,6.833 2.413,6.833 ; 0.432,6.807 2.413,6.807 ; 0.457,6.782 2.438,6.782 ; 0.457,6.756 2.438,6.756 ; 0.483,6.731 2.464,6.731 ; 0.483,6.706 2.464,6.706 ; 0.508,6.68 2.489,6.68 ; 0.508,6.655 2.489,6.655 ; 0.533,6.629 2.515,6.629 ; 0.533,6.604 2.515,6.604 ; 0.533,6.579 2.54,6.579 ; 0.559,6.553 2.54,6.553 ; 0.559,6.528 2.565,6.528 ; 0.584,6.502 2.565,6.502 ; 0.584,6.477 2.591,6.477 ; 0.61,6.452 2.591,6.452 ; 0.61,6.426 2.616,6.426 ; 0.635,6.401 2.616,6.401 ; 0.635,6.375 2.642,6.375 ; 0.66,6.35 2.642,6.35 ; 0.66,6.325 2.667,6.325 ; 0.686,6.299 2.667,6.299 ; 0.686,6.274 2.692,6.274 ; 0.711,6.248 2.692,6.248 ; 0.711,6.223 2.718,6.223 ; 0.737,6.198 2.718,6.198 ; 0.737,6.172 2.743,6.172 ; 0.762,6.147 2.743,6.147 ; 0.762,6.121 2.769,6.121 ; 0.991,5.715 2.972,5.715 ; 0.991,5.69 2.972,5.69 ; 0.991,5.664 2.997,5.664 ; 1.016,5.639 2.997,5.639 ; 1.016,5.613 3.023,5.613 ; 1.041,5.588 3.023,5.588 ; 1.041,5.563 3.048,5.563 ; 1.067,5.537 3.048,5.537 ; 1.067,5.512 3.073,5.512 ; 1.092,5.486 3.073,5.486 ; 1.092,5.461 3.073,5.461 ; 1.118,5.436 3.099,5.436 ; 1.118,5.41 3.099,5.41 ; 1.143,5.385 3.124,5.385 ; 1.143,5.359 3.124,5.359 ; 1.168,5.334 3.15,5.334 ; 1.168,5.309 3.15,5.309 ; 1.194,5.283 3.175,5.283 ; 1.194,5.258 3.175,5.258 ; 1.219,5.232 3.2,5.232 ; 1.219,5.207 3.2,5.207 ; 1.245,5.182 3.226,5.182 ; 1.245,5.156 3.226,5.156 ; 1.245,5.131 3.251,5.131 ; 1.27,5.105 3.251,5.105 ; 1.27,5.08 3.277,5.08 ; 1.295,5.055 3.277,5.055 ; 1.295,5.029 3.302,5.029 ; 1.321,5.004 3.302,5.004 ; 1.321,4.978 3.327,4.978 ; 1.346,4.953 3.327,4.953 ; 1.346,4.928 3.353,4.928 ; 1.372,4.902 3.353,4.902 ; 1.372,4.877 3.378,4.877 ; 1.397,4.851 3.378,4.851 ; 1.397,4.826 3.404,4.826 ; 1.422,4.801 3.404,4.801 ; 1.422,4.775 3.429,4.775 ; 1.448,4.75 3.429,4.75 ; 1.448,4.724 3.454,4.724 ; 1.473,4.699 3.454,4.699 ; 1.473,4.674 3.48,4.674 ; 1.499,4.648 3.48,4.648 ; 1.499,4.623 3.505,4.623 ; 1.524,4.597 3.505,4.597 ; 1.524,4.572 3.531,4.572 ; 1.549,4.547 3.531,4.547 ; 1.549,4.521 3.556,4.521 ; 1.575,4.496 3.556,4.496 ; 1.575,4.47 3.581,4.47 ; 1.6,4.445 3.581,4.445 ; 1.6,4.42 3.607,4.42 ; 1.626,4.394 3.607,4.394 ; 1.626,4.369 3.632,4.369 ; 1.651,4.343 3.632,4.343 ; 1.651,4.318 3.658,4.318 ; 1.676,4.293 3.658,4.293 ; 1.676,4.267 3.683,4.267 ; 1.702,4.242 3.683,4.242 ; 1.702,4.216 3.683,4.216 ; 1.727,4.191 3.708,4.191 ; 1.727,4.166 3.708,4.166 ; 1.753,4.14 3.734,4.14 ; 1.753,4.115 3.734,4.115 ; 1.753,4.089 3.759,4.089 ; 1.778,4.064 3.759,4.064 ; 1.753,3.581 3.734,3.581 ; 1.727,3.556 3.734,3.556 ; 1.727,3.531 3.708,3.531 ; 1.702,3.505 3.708,3.505 ; 1.702,3.48 3.683,3.48 ; 1.676,3.454 3.683,3.454 ; 1.676,3.429 3.658,3.429 ; 1.651,3.404 3.658,3.404 ; 1.651,3.378 3.632,3.378 ; 1.626,3.353 3.632,3.353 ; 1.626,3.327 3.607,3.327 ; 1.6,3.302 3.607,3.302 ; 1.6,3.277 3.581,3.277 ; 1.575,3.251 3.581,3.251 ; 1.575,3.226 3.556,3.226 ; 1.549,3.2 3.556,3.2 ; 1.549,3.175 3.531,3.175 ; 1.524,3.15 3.531,3.15 ; 1.524,3.124 3.505,3.124 ; 1.499,3.099 3.505,3.099 ; 1.499,3.073 3.48,3.073 ; 1.473,3.048 3.48,3.048 ; 1.473,3.023 3.454,3.023 ; 1.448,2.997 3.454,2.997 ; 1.448,2.972 3.454,2.972 ; 1.422,2.946 3.429,2.946 ; 1.422,2.921 3.429,2.921 ; 1.397,2.896 3.404,2.896 ; 1.397,2.87 3.404,2.87 ; 1.372,2.845 3.378,2.845 ; 1.372,2.819 3.378,2.819 ; 1.346,2.794 3.353,2.794 ; 1.346,2.769 3.353,2.769 ; 1.346,2.743 3.327,2.743 ; 1.321,2.718 3.327,2.718 ; 1.321,2.692 3.302,2.692 ; 1.295,2.667 3.302,2.667 ; 1.295,2.642 3.277,2.642 ; 1.27,2.616 3.277,2.616 ; 1.27,2.591 3.251,2.591 ; 1.245,2.565 3.251,2.565 ; 1.245,2.54 3.226,2.54 ; 1.219,2.515 3.226,2.515 ; 1.219,2.489 3.2,2.489 ; 1.194,2.464 3.2,2.464 ; 1.194,2.438 3.175,2.438 ; 1.168,2.413 3.175,2.413 ; 1.168,2.388 3.15,2.388 ; 1.143,2.362 3.15,2.362 ; 1.143,2.337 3.124,2.337 ; 1.118,2.311 3.124,2.311 ; 1.118,2.286 3.099,2.286 ; 1.092,2.261 3.099,2.261 ; 1.092,2.235 3.073,2.235 ; 1.067,2.21 3.073,2.21 ; 1.067,2.184 3.048,2.184 ; 1.041,2.159 3.048,2.159 ; 1.041,2.134 3.023,2.134 ; 1.016,2.108 3.023,2.108 ; 1.016,2.083 2.997,2.083 ; 0.991,2.057 2.997,2.057 ; 0.991,2.032 2.972,2.032 ; 0.965,2.007 2.972,2.007 ; 0.762,1.575 2.743,1.575 ; 0.737,1.549 2.743,1.549 ; 0.737,1.524 2.743,1.524 ; 0.737,1.499 2.718,1.499 ; 0.711,1.473 2.718,1.473 ; 0.711,1.448 2.692,1.448 ; 0.686,1.422 2.692,1.422 ; 0.686,1.397 2.667,1.397 ; 0.66,1.372 2.667,1.372 ; 0.66,1.346 2.642,1.346 ; 0.635,1.321 2.642,1.321 ; 0.635,1.295 2.616,1.295 ; 0.61,1.27 2.616,1.27 ; 0.61,1.245 2.591,1.245 ; 0.584,1.219 2.591,1.219 ; 0.584,1.194 2.565,1.194 ; 0.559,1.168 2.565,1.168 ; 0.559,1.143 2.54,1.143 ; 0.533,1.118 2.54,1.118 ; 0.533,1.092 2.515,1.092 ; 0.508,1.067 2.515,1.067 ; 0.508,1.041 2.489,1.041 ; 0.483,1.016 2.489,1.016 ; 0.483,0.991 2.464,0.991 ; 0.457,0.965 2.464,0.965 ; 0.457,0.94 2.438,0.94 ; 0.432,0.914 2.438,0.914 ; 0.432,0.889 2.413,0.889 ; 0.406,0.864 2.413,0.864 ; 0.406,0.838 2.388,0.838 ; 0.381,0.813 2.388,0.813 ; 0.381,0.787 2.362,0.787 ; 0.356,0.762 2.362,0.762 ; 0.356,0.737 2.337,0.737 ; 0.33,0.711 2.337,0.711 ; 0.33,0.686 2.311,0.686 ; 0.33,0.66 2.311,0.66 ; 0.305,0.635 2.311,0.635 ; 0.305,0.61 2.286,0.61 ; 0.279,0.584 2.286,0.584 ; 0.279,0.559 2.261,0.559 ; 0.254,0.533 2.261,0.533 ; 0.254,0.508 2.235,0.508 ; 0.229,0.483 2.235,0.483 ; 0.229,0.457 2.21,0.457 ; 0.203,0.432 2.21,0.432 ; 0.203,0.406 2.184,0.406 ; 0.178,0.381 2.184,0.381 ; 0.178,0.356 2.159,0.356 ; 0.152,0.33 2.159,0.33 ; 0.152,0.305 2.134,0.305 ; 0.127,0.279 2.134,0.279 ; 0.127,0.254 2.108,0.254 ; 0.102,0.229 2.108,0.229 ; 0.102,0.203 2.083,0.203 ; 0.076,0.178 2.083,0.178 ; 0.076,0.152 2.057,0.152 ; 0.051,0.127 2.057,0.127 ; 0.051,0.102 2.032,0.102 ; 0.025,0.076 2.032,0.076 ; 0.025,0.051 2.007,0.051 ; 0,0.025 2.007,0.025 ; 0,0 1.981,0
LP [mm]
"MSOP-8 (RM-8)" [mm]
  rect 0.42x1 smd: 1(0,0) 2(0.65,0) 3(1.3,0) 4(1.95,0) 5(1.95,4.4) 6(1.3,4.4) 7(0.65,4.4) 8(0,4.4)
  silkscreen extent -0.6,0.6 2.6,3.8, body extent -0.51,-0.24 2.49,4.66, height 1.15
PAD-1.0/1.8 [mm] "Thrughhole Solder PAD 1mm Hole, 1.8mm Size"
  round 1.8 hole 1: 1(0,0)
  silkscreen extent -1.27,-1.27 1.27,1.27
PAD-6.0/3.2 [mm] "Pad 6.00mm, 3.20 mm hole size"
  round 6 hole 3.2: 1(0,0)
  silkscreen extent -3,-3 3,3
Part [mm]
  silkscreen extent 0,-0.25 0.64,0.25
"PASSER-MARK Rund 1,2mm" [mm] "Passer-Mark Rund 1,2mm"
  round 1.2 smd paste-1.2 mask+0.5: 0(0,0)
  silkscreen extent -1.27,-1.27 1.27,1.27
PLCC-2_gelb [mm] "SMD PLCC 2 pin"
  rect 1.5x2.3 smd: 1(1.45,0) 2(-1.45,0)
  silkscreen extent -1.5,-1.5 1.5,1.5, body extent -1.75,-1.4 1.75,1.4, height 1.55
PLCC-2_rot [mm] "SMD PLCC 2 pin"
  rect 1.5x2.3 smd: 1(1.45,0) 2(-1.45,0)
  silkscreen extent -1.5,-1.5 1.5,1.5, body extent -1.75,-1.4 1.75,1.4, height 1.55
SIP-2 [mm] "Connector Single Inline Package, Raster 2.54mm, 2 pin"
  rect 1.6x1.6 hole 1: 1(0,0)
  round 1.6 hole 1: 2(2.54,0)
  silkscreen extent -1.27,-1.27 3.81,1.27, body extent -1.15,-1.17 3.69,1.17, height 10.52
"SIP-7 Single - X2" [mm]
  round 2 hole 1.1 paste-0.02: 1(0,0) 2(2.54,0) 6(12.7,0) 7(15.24,0)
  silkscreen extent -1.9,-7.4 17.6,2.4, body extent -1.9,-7.4 17.6,2.4, height 12.51
"SLB4-I/90 - 4mm" [mm] "Winkelbuchsen 4mm"
  round 2 hole 1: 0(-5.08,6.36) 0(5.08,6.36)
  oval 1.5x2 hole 1: 0(-5.08,-3.8) 0(5.08,-3.8)
  round 3.4 hole 2: 1(0,0)
  silkscreen extent -6,-5.5 6,27.5, body extent -6,-5.5 6,27.5, height 12.3
"SLB4-I/90 - 4mm - CLIFF" [mm] "Winkelbuchsen 4mm für Herstelle CLIFF"
  round 2 hole 1.2: 0(-5.08,6.36) 0(5.08,6.36)
  oval 1.5x2 hole 1.2: 0(-5.08,-3.8) 0(5.08,-3.8)
  round 3.4 hole 2.2: 1(0,0)
  silkscreen extent -6,-5.5 6,27.5, body extent -6,-5.5 6,27.5, height 12.3
SMA [mm] "SMD SMA size"
  rect 1.7x1.7 smd: 1(-0.127,0) 2(3.977,0)
  silkscreen extent -0.24,-1.45 4.09,1.45, body extent -0.81,-1.4 4.67,1.4, height 2.26
SOIC-8-N [mm] "SMD Small Outline IC 8 pin Narrow"
  rect 2x0.55 smd: 1(0,0) 2(0,-1.27) 3(0,-2.54) 4(0,-3.81) 5(4.9,-3.81) 6(4.9,-2.54) 7(4.9,-1.27) 8(4.9,0)
  silkscreen extent 1.46,-4.44 3.44,0.64, body extent -0.58,-4.32 5.61,0.51, height 1.7
SOIC-8-W [mm] "SMD Small Outline IC 16 pin Wide"
  rect 2x0.6 smd: 1(-0.7,0) 2(-0.7,-1.27) 3(-0.7,-2.54) 4(-0.7,-3.81) 5(10.1,-3.81) 6(10.1,-2.54) 7(10.1,-1.27) 8(10.1,0)
  silkscreen extent 1.89,-4.45 7.51,0.63, body extent -0.62,-4.32 10.02,0.51, height 1.7
"SOIC-16-W - 8.1mm" [mm] "SMD Small Outline IC 16 pin Wide"
  rect 1.65x0.6 smd: 1(0,0) 2(0,-1.27) 3(0,-2.54) 4(0,-3.81) 5(0,-5.08) 6(0,-6.35) 7(0,-7.62) 8(0,-8.89) 9(9.75,-8.89) 10(9.75,-7.62) 11(9.75,-6.35) 12(9.75,-5.08) 13(9.75,-3.81) 14(9.75,-2.54) 15(9.75,-1.27) 16(9.75,0)
  silkscreen extent 1.89,-9.53 7.51,0.63, body extent -0.4,-9.7 10.2,0.8, height 2.57
SOT-23-6 [mil] "SMD Small Outline Transistor 6 pin"
  rect 27x39 smd: 1(0,0) 2(37.5,0) 3(75,0) 4(75,102) 5(37.5,102) 6(0,102)
  silkscreen extent -22,18 96,84, body extent -18,3 92,99, height 43
TSSOP-14 [mm] "SMD Thin Shrink Small Outline Package 14 pins"
  rect 1.6x0.35 smd: 1(0,0) 2(0,-0.65) 3(0,-1.3) 4(0,-1.95) 5(0,-2.6) 6(0,-3.25) 7(0,-3.9) 8(5.7,-3.9) 9(5.7,-3.25) 10(5.7,-2.6) 11(5.7,-1.95) 12(5.7,-1.3) 13(5.7,-0.65) 14(5.7,0)
  silkscreen extent 1.64,-4.23 4.06,0.32, body extent -0.38,-4.46 6.07,0.54, height 1.2
"VQFN-54 (RQZ0054)" [mm]
  rect 0.8x1.05 smd: 1(-5.8,5.2) 16(-5.8,-5.2) 28(5.8,-5.2) 43(5.8,5.2)
  rect 0.8x0.4 smd: 2(-5.8,4.225) 3(-5.8,3.575) 4(-5.8,2.925) 5(-5.8,2.275) 6(-5.8,1.625) 7(-5.8,0.975) 8(-5.8,0.325) 9(-5.8,-0.325) 10(-5.8,-0.975) 11(-5.8,-1.625) 12(-5.8,-2.275) 13(-5.8,-2.925) 14(-5.8,-3.575) 15(-5.8,-4.225) 29(5.8,-4.225) 30(5.8,-3.575) 31(5.8,-2.925) 32(5.8,-2.275) 33(5.8,-1.625) 34(5.8,-0.975) 35(5.8,-0.325) 36(5.8,0.325) 37(5.8,0.975) 38(5.8,1.625) 39(5.8,2.275) 40(5.8,2.925) 41(5.8,3.575) 42(5.8,4.225)
  rect 0.6x0.8 smd: 17(-2.035,-5.8) 27(4.665,-5.8) 44(4.665,5.8) 54(-2.035,5.8)
  rect 0.4x0.8 smd: 18(-1.285,-5.8) 19(-0.635,-5.8) 20(0.015,-5.8) 21(0.665,-5.8) 22(1.315,-5.8) 23(1.965,-5.8) 24(2.615,-5.8) 25(3.265,-5.8) 26(3.915,-5.8) 45(3.915,5.8) 46(3.265,5.8) 47(2.615,5.8) 48(1.965,5.8) 49(1.315,5.8) 50(0.665,5.8) 51(0.015,5.8) 52(-0.635,5.8) 53(-1.285,5.8)
  rect 7.8x10.2 smd paste-10: 55(1.25,0)
  silkscreen extent -6,-6 6,6, body extent -6,-6 6,6, height 1
VSSOP-8 [mm] "Small Outline Package 8 pins"
  rect 0.3x1 smd: 1(0,0) 2(0.5,0) 3(1,0) 4(1.5,0) 5(1.5,2.85) 6(1,2.85) 7(0.5,2.85) 8(0,2.85)
  silkscreen extent -0.3,0.23 1.8,2.63, body extent -0.39,-0.13 1.91,2.97, height 0.83
WE-634008149821 [mm] "Modular Jack Horizontal Shielded SMT 8P8C Tab Up"
  rect 0.61x3.05 smd: 1(3.57,7.505) 2(2.55,7.505) 3(1.53,7.505) 4(0.51,7.505) 5(-0.51,7.505) 6(-1.53,7.505) 7(-2.55,7.505) 8(-3.57,7.505)
  rect 1.2x3.89 smd paste-403.566 mask-403.566: S(-8.66,-2.475) S(8.66,-2.475)
  round 0 hole 3.2 unplated: S(-6.35,-2.475) S(6.35,-2.475)
  Top Layer region: 9.91,-4.42 7.41,-4.42 7.41,-3.706 7.411,-3.706 7.827,-3.153 7.975,-2.477 7.828,-1.8 7.413,-1.246 7.413,-1.246 7.41,-1.241 7.41,-0.53 9.91,-0.53
  Top Layer region: -9.91,-4.42 -7.41,-4.42 -7.41,-3.706 -7.411,-3.706 -7.827,-3.153 -7.975,-2.477 -7.828,-1.8 -7.413,-1.246 -7.413,-1.246 -7.41,-1.241 -7.41,-0.53 -9.91,-0.53
  silkscreen extent -8.2,-7.87 8.2,7.83, body extent -9.4,-7.88 9.4,8.42, height 13.45